# Altium PCB TMS320F28379D_Interfaz_.PcbDoc (part 2 of 5) (continued)
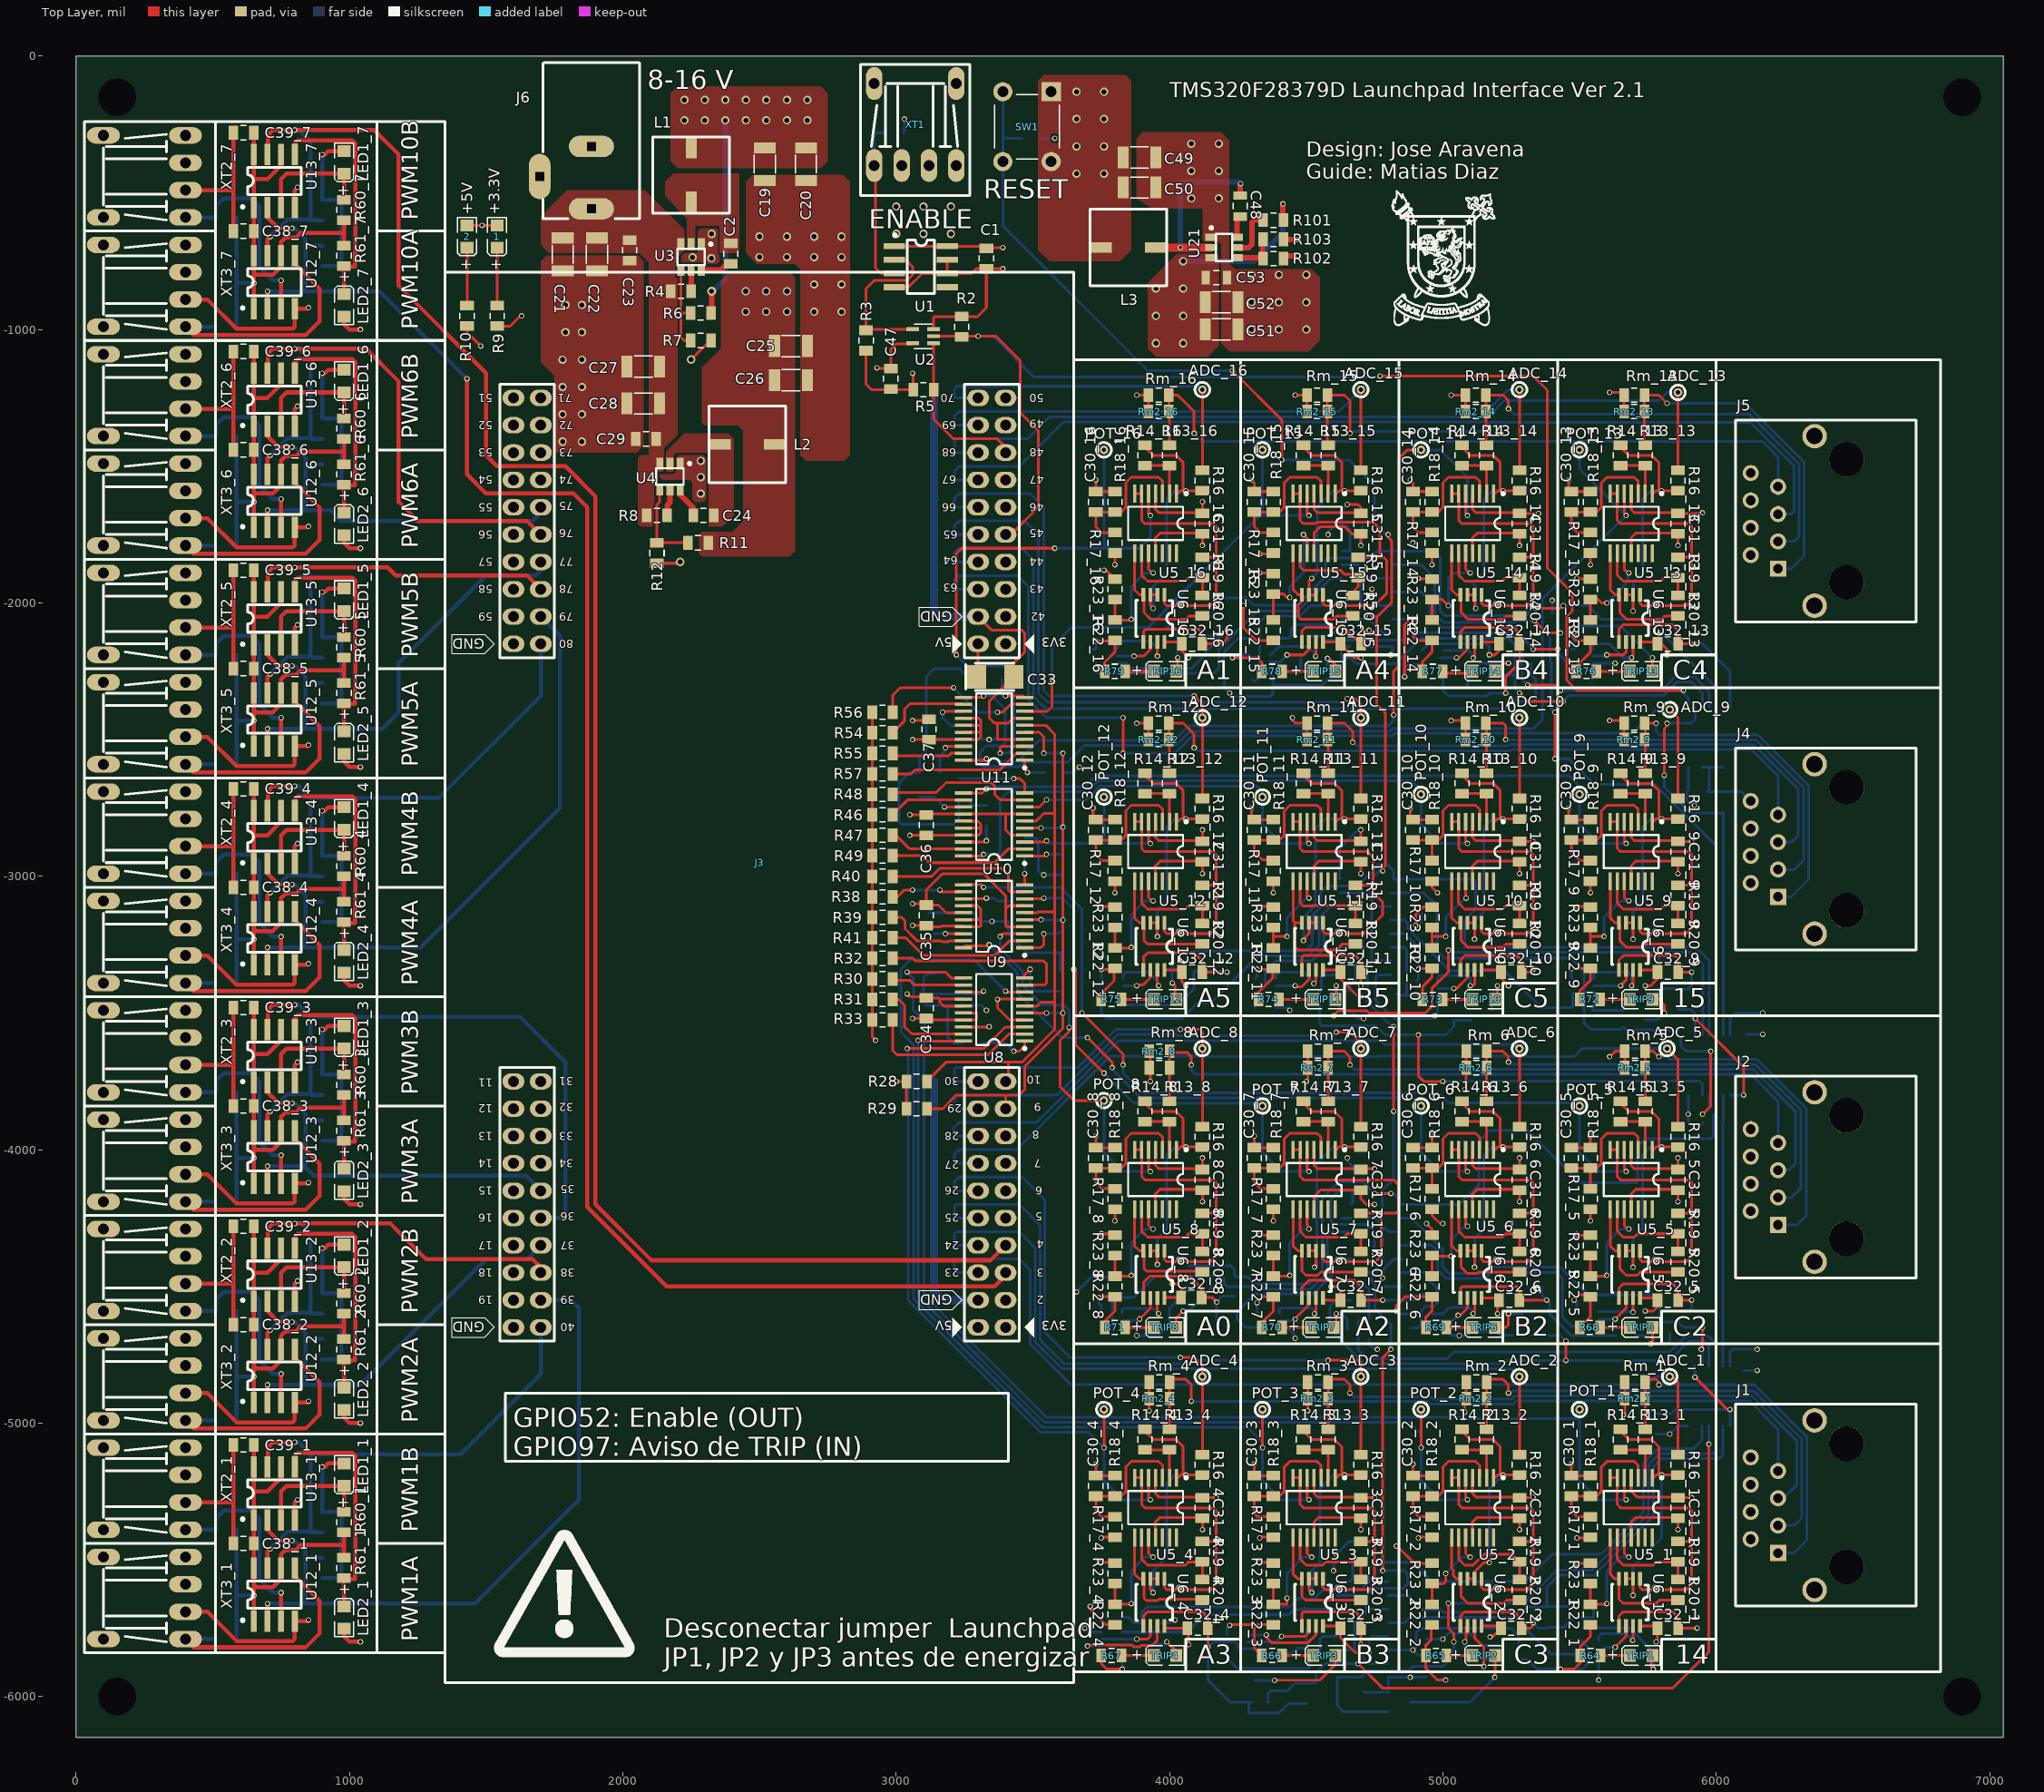
[diagram p0: Top Layer view]
## Part data
1 2 LED1_1 LED1_2 LED1_3 LED1_4 LED1_5 LED1_6 LED1_7 LED2_1 LED2_2 LED2_3 LED2_4 LED2_5 LED2_6 LED2_7 TRIP1 TRIP2 TRIP3 TRIP4 TRIP5 TRIP6 TRIP7 TRIP8 TRIP9 TRIP10 TRIP11 TRIP12 TRIP13 TRIP14 TRIP15 TRIP16: "Led", Digi-Key Part Number=732-4984-1-ND, Manufacturer Part Number=150080RS75000
  1 2 TRIP1 TRIP2 TRIP3 TRIP4 TRIP5 TRIP6 TRIP7 TRIP8 TRIP9 TRIP10 TRIP11 TRIP12 TRIP13 TRIP14 TRIP15 TRIP16: Código de producto RS=815-4225
ADC_1 ADC_2 ADC_3 ADC_4 ADC_5 ADC_6 ADC_7 ADC_8 ADC_9 ADC_10 ADC_11 ADC_12 ADC_13 ADC_14 ADC_15 ADC_16 POT_1 POT_2 POT_3 POT_4 POT_5 POT_6 POT_7 POT_8 POT_9 POT_10 POT_11 POT_12 POT_13 POT_14 POT_15 POT_16: "Surface Mount Test Points", Digi-Key Part Number=A106146CT-ND, Manufacturer Part Number=RCW-0C, Código de producto RS=389-801
B1: "Ferrite bead", Digi-Key Part Number=490-1055-1-ND, Manufacturer Part Number=BLM31PG500SN1L, Código de producto RS=724-1589
J1 J2 J4 J5: "CONN MOD JACK 8P8C VERT SHIELDED", Digi-Key Part Number=A31430-ND, Manufacturer Part Number=5557969-1, Código de producto RS=782-7723
J3: Digi-Key Part Number=609-3221-ND, Manufacturer Part Number=67996-420HLF, Código de producto RS=161-2498
J6: library part "Power Jack", "Connector, Power Entry, Jack, 3a, 20vdc", Digi-Key Part Number=732-5930-ND, Código de producto RS=122-4879, Manufacturer Part Number=694106301002
L1 L3: "Inductor", Digi-Key Part Number=732-1152-1-ND, Manufacturer Part Number=744311330, Código de producto RS=736-1949
L2: "Inductor", Digi-Key Part Number=732-1151-1-ND, Manufacturer Part Number=744311220, Código de producto RS=736-1945
Q1 Q2 Q3 Q4 Q5 Q6 Q7 Q8 Q9 Q10 Q11 Q12 Q13 Q14 Q15 Q16: library part MOSFET_N, "2N7002-FDICT-ND", Manufacturer Part Number=2N7002-7-F, Código de producto RS=708-2396, Digi-Key Part Number=2N7002-FDICT-ND
R1 R2 R3 R4 R5 R6 R7 R8 R9 R10 R11 R12 R13_1 R13_2 R13_3 R13_4 R13_5 R13_6 R13_7 R13_8 R13_9 R13_10 R13_11 R13_12 R13_13 R13_14 R13_15 R13_16 R14_1 R14_2 R14_3 R14_4 R14_5 R14_6 R14_7 R14_8 R14_9 R14_10 R14_11 R14_12 R14_13 R14_14 R14_15 R14_16 R16_1 R16_2 R16_3 R16_4 R16_5 R16_6 R16_7 R16_8 R16_9 R16_10 R16_11 R16_12 R16_13 R16_14 R16_15 R16_16 R17_1 R17_2 R17_3 R17_4 R17_5 R17_6 R17_7 R17_8 R17_9 R17_10 R17_11 R17_12 R17_13 R17_14 R17_15 R17_16 R18_1 R18_2 R18_3 R18_4 R18_5 R18_6 R18_7 R18_8 R18_9 R18_10 R18_11 R18_12 R18_13 R18_14 R18_15 R18_16 R19_1 R19_2 R19_3 R19_4 R19_5 R19_6 R19_7 R19_8 R19_9 R19_10 R19_11 R19_12 R19_13 R19_14 R19_15 R19_16 R20_1 R20_2 R20_3 R20_4 R20_5 R20_6 R20_7 R20_8 R20_9 R20_10 R20_11 R20_12 R20_13 R20_14 R20_15 R20_16 R21_1 R21_2 R21_3 R21_4 R21_5 R21_6 R21_7 R21_8 R21_9 R21_10 R21_11 R21_12 R21_13 R21_14 R21_15 R21_16 R22_1 R22_2 R22_3 R22_4 R22_5 R22_6 R22_7 R22_8 R22_9 R22_10 R22_11 R22_12 R22_13 R22_14 R22_15 R22_16 R23_1 R23_2 R23_3 R23_4 R23_5 R23_6 R23_7 R23_8 R23_9 R23_10 R23_11 R23_12 R23_13 R23_14 R23_15 R23_16 R24 R25 R26 R27 R28 R29 R30 R31 R32 R33 R34 R35 R36 R37 R38 R39 R40 R41 R42 R43 R44 R45 R46 R47 R48 R49 R50 R51 R52 R53 R54 R55 R56 R57 R58_1 R58_2 R58_3 R58_4 R58_5 R58_6 R58_7 R59_1 R59_2 R59_3 R59_4 R59_5 R59_6 R59_7 R60_1 R60_2 R60_3 R60_4 R60_5 R60_6 R60_7 R61_1 R61_2 R61_3 R61_4 R61_5 R61_6 R61_7 R62_1 R62_2 R62_3 R62_4 R62_5 R62_6 R62_7 R63_1 R63_2 R63_3 R63_4 R63_5 R63_6 R63_7 R64 R65 R66 R67 R68 R69 R70 R71 R72 R73 R74 R75 R76 R77 R78 R79 R80 R81 R82 R83 R84 R85 R86 R87 R88 R89 R90 R91 R92 R93 R94 R95 R96 R97 R98 R99 R100 R101 R102 R103: library part Resistor, "Resistor"
  R58_1 R58_2 R58_3 R58_4 R58_5 R58_6 R58_7 R59_1 R59_2 R59_3 R59_4 R59_5 R59_6 R59_7: Código de producto RS=713-6875
Rm2_1 Rm2_2 Rm2_3 Rm2_4 Rm2_5 Rm2_6 Rm2_7 Rm2_8 Rm2_9 Rm2_10 Rm2_11 Rm2_12 Rm2_13 Rm2_14 Rm2_15 Rm2_16 Rm_1 Rm_2 Rm_3 Rm_4 Rm_5 Rm_6 Rm_7 Rm_8 Rm_9 Rm_10 Rm_11 Rm_12 Rm_13 Rm_14 Rm_15 Rm_16: library part Resistor, "Resistor", Digi-Key Part Number=RCL220ACT-ND, Manufacturer Part Number=RCL1218220RFKEK
SW1: Digi-Key Part Number=CKN10899-ND, Manufacturer Part Number="PTS645SM43-2 LFS", Código de producto RS=135-9534
U1 U12_1 U12_2 U12_3 U12_4 U12_5 U12_6 U12_7 U13_1 U13_2 U13_3 U13_4 U13_5 U13_6 U13_7: "Dual Very-High Speed, High-Current Peripheral Drivers 8-SOIC 0 to 70", Digi-Key Part Number=296-14960-6-ND, Código de producto RS=662-4015, Manufacturer Part Number=SN75451BDR
U2: "NOR Gate IC 1 Channel SC-88A (SC-70-5/SOT-353)", Digi-Key Part Number=MC74VHC1G02DFT2GOSCT-ND, Manufacturer Part Number=MC74VHC1G02DFT2G, Código de producto RS=806-3945
U3 U4 U21: "Buck 5A", Digi-Key Part Number=296-49006-1-ND, Manufacturer Part Number=TPS565201DDCR
U5_1 U5_2 U5_3 U5_4 U5_5 U5_6 U5_7 U5_8 U5_9 U5_10 U5_11 U5_12 U5_13 U5_14 U5_15 U5_16: Digi-Key Part Number=OPA4344EACT-ND, Manufacturer Part Number=OPA4344EA/250, Código de producto RS=660-9868
U6_1 U6_2 U6_3 U6_4 U6_5 U6_6 U6_7 U6_8 U6_9 U6_10 U6_11 U6_12 U6_13 U6_14 U6_15 U6_16: Digi-Key Part Number=MAX962EUA+-ND, Manufacturer Part Number=MAX962EUA+, Código de producto RS=622-9241
U7_1 U7_2 U7_3 U7_4 U7_5 U7_6 U7_7 U7_8 U7_9 U7_10 U7_11 U7_12 U7_13 U7_14 U7_15 U7_16: "IC GATE NAND 1CH 2-INP", Digi-Key Part Number=296-9845-1-ND, Código de producto RS=796-8219, Manufacturer Part Number=SN74LVC1G00DBVR
U8 U9 U10 U11: Digi-Key Part Number=X95840WV20IZ-2.7-ND, Manufacturer Part Number=X95840WV20IZ-2.7, Código de producto RS=100-0181
U14 U16 U19: "2 OR GATE 4 INPUT", Digi-Key Part Number=296-32907-5-ND, Manufacturer Part Number=CD4072BPW, Código de producto RS=809-5517
U15 U17 U18 U20: library part HEF4043, "IC R/S LATCH 3-STATE QUAD 16SOIC", Digi-Key Part Number=1727-1799-1-ND, Manufacturer Part Number=HEF4043BT,653, Código de producto RS=168-9605
XT1 XT2_1 XT2_2 XT2_3 XT2_4 XT2_5 XT2_6 XT2_7 XT3_1 XT3_2 XT3_3 XT3_4 XT3_5 XT3_6 XT3_7: Digi-Key Part Number=516-2043-ND, Código de producto RS=171-1600, Manufacturer Part Number=HFBR-1521Z

## Free pads (board coordinates)
  round 0 hole 137.8 unplated: ""(150,-6000) ""(150,-150) ""(6900,-6000) ""(6900,-150)

## Via types
v1: diameter 20, hole 12, Top Layer to Bottom Layer, 538 vias
v2: diameter 30, hole 18, Top Layer to Bottom Layer, 80 vias
v3: diameter 30, hole 20, Top Layer to Bottom Layer, 6 vias
v4: diameter 32, hole 18, Top Layer to Bottom Layer, 3 vias

## Nets (pads, with @x,y where several pads share a name; then routed paths per layer and width w, separated by ;. In a path a pad name is that pad's centre, name@x,y a point inside that pad or via, vN(x,y) a via of type N, cw(c..) or ccw(c..) an arc to the next point about the centre after c; other vN are vias at no path point)
+3.3V_D: C25.2 C26.2 J3.1 J3.41 L2.2 R9.2 R11.2 R24.1 R25.1 R26.1 R27.1 R34.1 R35.1 R36.1 R37.1 R42.1 R43.1 R44.1 R45.1 R50.1 R51.1 R52.1 R53.1 | length 3160.5
  Top Layer w10: R9.2@1540,-987.4 1587.4,-987.4 v1@1624.8,-950
  Bottom Layer w10: R36.1@3120,-3132.6 3282.6,-3132.6 3314.8,-3164.8 v1(3350,-3164.8) R34.1@3410,-3164.8 3410,-3210 3480,-3280 3597.4,-3280 R35.1@3600,-3277.4 R27.1@3600,-3345.2 ; R24.1@3140,-3355.2 3114.8,-3355.2 3100,-3370 3100,-3460 3112.6,-3472.6 3187.4,-3472.6 ; R25.1@3245.2,-3610 3210,-3610 3187.4,-3587.4 3187.4,-3472.6 ; R53.1@3312.6,-2280 3270,-2280 3230,-2240 3140,-2240 3110,-2270 3110,-2500 ; v1(3330,-3490) 3312.6,-3472.6 R26.1@3250,-3472.6 3187.4,-3472.6 ; R44.1@3330,-2740 3280,-2740 3260,-2720 3232.6,-2720 R45.1@3230,-2717.4 3230,-2790 3210,-2810 3020,-2810 3010,-2800 R42.1@3010,-2710 3010,-2660 3050,-2620 R52.1@3085.2,-2620 3085.2,-2564.8 3110,-2540 3110,-2500 ; R50.1@3370,-2450 3370,-2490 3360,-2500 v1(3340,-2500) 3110,-2500 ; R37.1@3470,-2860 3510,-2860 3520,-2870 3520,-2980 3534.8,-2994.8 v1(3540,-2994.8) R43.1@3610,-2994.8 ; R51.1@3617.4,-2620 3650,-2620 v1(3670,-2600)
  other v1: 1630,-950
  other v3: 2450,-935 2525,-935 2600,-935 2450,-860 2525,-860 2600,-860
+5V_A: C1.2 C31_1.2 C31_2.2 C31_3.2 C31_4.2 C31_5.2 C31_6.2 C31_7.2 C31_8.2 C31_9.2 C31_10.2 C31_11.2 C31_12.2 C31_13.2 C31_14.2 C31_15.2 C31_16.2 C32_1.1 C32_2.1 C32_3.1 C32_4.1 C32_5.1 C32_6.1 C32_7.1 C32_8.1 C32_9.1 C32_10.1 C32_11.1 C32_12.1 C32_13.1 C32_14.1 C32_15.1 C32_16.1 C33.1 C34.1 C35.1 C36.1 C37.1 C40.1 C41.1 C42.1 C43.1 C44.1 C45.1 C46.1 C47.2 C49.2 C50.2 J3.21 J3.61 L3.2 R1.2 R17_1.2 R17_2.2 R17_3.2 R17_4.2 R17_5.2 R17_6.2 R17_7.2 R17_8.2 R17_9.2 R17_10.2 R17_11.2 R17_12.2 R17_13.2 R17_14.2 R17_15.2 R17_16.2 R22_1.1 R22_2.1 R22_3.1 R22_4.1 R22_5.1 R22_6.1 R22_7.1 R22_8.1 R22_9.1 R22_10.1 R22_11.1 R22_12.1 R22_13.1 R22_14.1 R22_15.1 R22_16.1 R28.1 R29.1 R64.2 R65.2 R66.2 R67.2 R68.2 R69.2 R70.2 R71.2 R72.2 R73.2 R74.2 R75.2 R76.2 R77.2 R78.2 R79.2 R102.2 SW1.1 SW1.2 U1.1 U1.8 U2.5 U5_1.4 U5_2.4 U5_3.4 U5_4.4 U5_5.4 U5_6.4 U5_7.4 U5_8.4 U5_9.4 U5_10.4 U5_11.4 U5_12.4 U5_13.4 U5_14.4 U5_15.4 U5_16.4 U6_1.8 U6_2.8 U6_3.8 U6_4.8 U6_5.8 U6_6.8 U6_7.8 U6_8.8 U6_9.8 U6_10.8 U6_11.8 U6_12.8 U6_13.8 U6_14.8 U6_15.8 U6_16.8 U7_1.5 U7_2.5 U7_3.5 U7_4.5 U7_5.5 U7_6.5 U7_7.5 U7_8.5 U7_9.5 U7_10.5 U7_11.5 U7_12.5 U7_13.5 U7_14.5 U7_15.5 U7_16.5 U8.16 U8.17 U9.14 U9.16 U9.17 U10.15 U10.16 U10.17 U11.14 U11.15 U11.16 U11.17 U14.14 U15.5 U15.16 U16.14 U17.5 U17.16 U18.5 U18.16 U19.14 U20.5 U20.16 | length 17712
  Top Layer w10: v1(2930,-1140) 2932.6,-1142.6 C47.2@2980,-1142.6 2980,-1072.6 3000,-1052.6 3057.4,-1052.6 U2.5@3060,-1050 ; U1.1@2993,-695 U1.8@3187,-695 3322.4,-695 C1.2@3330,-702.6 3332.6,-700 v1(3390,-700) ; v1(3000,-3750) R28.1@3037.6,-3750 ; R29.1@3037.6,-3850 R28.1@3037.6,-3750 ; R28.1@3037.6,-3732.4 R28.1@3037.6,-3750 ; v1(3050,-2850) C36.1@3110,-2850 3244.41,-2850 U10.17@3245.59,-2848.82 3246.77,-2850 3300,-2850 3310,-2840 3310,-2825 ; v1(3060,-3520) C34.1@3110,-3520 3115.59,-3525.59 U8.17@3245.59,-3525.59 3294.41,-3525.59 3294.41,-3500 U8.16@3245.59,-3500 ; v1(3060,-3180) C35.1@3110,-3180 3114.41,-3184.41 3164.58,-3184.41 3167.99,-3181 3242.18,-3181 U9.17@3245.59,-3184.41 3305.59,-3184.41 3310,-3180 3310,-3160 ; v1(3060,-2500) C37.1@3120,-2500 3121.18,-2498.82 U11.17@3245.59,-2498.82 3301.18,-2498.82 3310,-2490 3310,-2470 ; U9.16@3245.59,-3158.82 3308.82,-3158.82 3310,-3160 ; U9.14@3245.59,-3107.64 3297.64,-3107.64 3310,-3120 3310,-3160 ; U10.16@3245.59,-2823.23 3308.23,-2823.23 3310,-2825 ; U10.15@3245.59,-2797.64 3297.64,-2797.64 3310,-2810 3310,-2825 ; U11.16@3245.59,-2473.23 3306.77,-2473.23 3310,-2470 ; U11.15@3245.59,-2447.64 3307.64,-2447.64 3310,-2450 ; U11.14@3245.59,-2422.05 3302.05,-2422.05 3310,-2430 3310,-2450 ; C33.1@3275,-2250 C33.1@3295,-2270 3300,-2265 J3.61@3300,-2150 ; v1(3710,-5670) 3710,-5680 3767.4,-5737.4 R22_4.1@3800,-5737.4 ; v1(3730,-2140) 3797.4,-2140 R22_16.1@3800,-2137.4 3800,-2180 3762.6,-2217.4 R79.2@3762.6,-2250 ; v1(3740,-4540) 3737.4,-4537.4 R22_8.1@3800,-4537.4 3800,-4590 3762.6,-4627.4 R71.2@3762.6,-4650 ; R67.2@3750,-5850 3750,-5880 3770,-5900 v1(3827,-5900) ; v1(3750,-5420) 3750,-5425.2 3757.8,-5417.4 R17_4.2@3800,-5417.4 ; v1(3750,-3340) 3797.4,-3340 3797.4,-3382.6 3750.2,-3429.8 R75.2@3750.2,-3450 ; v1(3800,-4260) R17_8.2@3800,-4217.4 ; v1(3800,-3060) R17_12.2@3800,-3017.4 ; v1(3800,-1860) R17_16.2@3800,-1817.4 ; U5_4.4@3948.82,-5200 3948.82,-5257.81 3959,-5267.99 3959,-5269 3960,-5270 C31_4.2@4120,-5270 ; U5_8.4@3948.82,-4000 3948.82,-4057.81 3959,-4067.99 3959,-4069 3960,-4070 C31_8.2@4120,-4070 ; U5_12.4@3948.82,-2800 3948.82,-2857.81 3959,-2867.99 3959,-2869 3960,-2870 C31_12.2@4120,-2870 ; U5_16.4@3948.82,-1600 3948.82,-1657.81 3959,-1667.99 3959,-1669 3960,-1670 C31_16.2@4120,-1670 ; U6_4.8@3981.18,-5742 3989.18,-5750 C32_4.1@4065.2,-5750 4070,-5754.8 v1(4070,-5810) ; U6_8.8@3981.18,-4542 3983.18,-4540 C32_8.1@4042.6,-4540 4042.6,-4502.6 4030,-4490 v1(4010,-4490) ; U6_12.8@3981.18,-3342 4037.2,-3342 C32_12.1@4045.2,-3350 4045.2,-3385.2 v1(4060,-3400) ; U6_16.8@3983.59,-2144.41 U6_16.8@3981.18,-2142 4037.2,-2142 C32_16.1@4045.2,-2150 4045.2,-2175.2 v1(4070,-2200) ; C31_4.2@4120,-5272.6 v1(4170,-5272.6) ; C31_8.2@4120,-4072.6 C31_8.2@4120,-4070 ; v1(4120,-4030) C31_8.2@4120,-4070 ; C31_12.2@4120,-2872.6 C31_12.2@4120,-2870 ; v1(4120,-2830) C31_12.2@4120,-2870 ; C31_16.2@4120,-1672.6 C31_16.2@4120,-1670 ; v1(4120,-1630) C31_16.2@4120,-1670 ; v1(4220,-5740) 4222.6,-5737.4 R22_3.1@4380,-5737.4 ; v1(4230,-2200) 4320,-2200 4337.6,-2217.6 R78.2@4337.6,-2250 ; v1(4270,-2010) 4270,-2090 4317.4,-2137.4 R22_15.1@4380,-2137.4 ; 4310,-5740 4310,-5822.4 R66.2@4337.6,-5850 ; v1(4320,-4560) 4342.6,-4537.4 R22_7.1@4380,-4537.4 4380,-4590 4337.6,-4632.4 R70.2@4337.6,-4650 ; v1(4320,-3340) 4377.4,-3340 4377.4,-3372.6 4325.2,-3424.8 R74.2@4325.2,-3450 ; v1(4330,-5420) 4332.6,-5417.4 R17_3.2@4380,-5417.4 ; v1(4330,-1820) R17_15.2@4377.4,-1820 ; R17_15.2@4374.8,-1822.6 R17_15.2@4377.4,-1820 ; v1(4380,-4260) R17_7.2@4380,-4217.4 ; v1(4380,-3060) R17_11.2@4380,-3017.4 ; R17_15.2@4380,-1817.4 R17_15.2@4377.4,-1820 ; U5_3.4@4528.82,-5200 4528.82,-5257.81 4539,-5267.99 4539,-5269 4540,-5270 C31_3.2@4700,-5270 ; U5_7.4@4528.82,-4000 4528.82,-4057.81 4539,-4067.99 4539,-4069 4540,-4070 C31_7.2@4700,-4070 ; U5_11.4@4528.82,-2800 4528.82,-2857.81 4539,-2867.99 4539,-2869 4540,-2870 C31_11.2@4700,-2870 ; U5_15.4@4528.82,-1600 4528.82,-1657.81 4539,-1667.99 4539,-1669 4540,-1670 C31_15.2@4700,-1670 ; U6_3.8@4561.18,-5742 4617.2,-5742 C32_3.1@4625.2,-5750 4625.2,-5785.2 4680,-5840 v1(4730,-5840) ; U6_7.8@4561.18,-4542 4569.18,-4550 C32_7.1@4625.2,-4550 4625.2,-4515.2 4610.76,-4500.76 v1(4590.76,-4500.76) ; U6_11.8@4561.18,-3342 4617.2,-3342 C32_11.1@4625.2,-3350 4625.2,-3375.2 4690,-3440 v1(4700,-3440) ; U6_15.8@4561.18,-2142 4617.2,-2142 C32_15.1@4625.2,-2150 4675.2,-2200 v1(4700,-2200) ; v1(4650,-1640) 4690,-1640 4700,-1650 C31_15.2@4700,-1670 ; C31_3.2@4700,-5272.6 v1(4750,-5272.6) ; C31_7.2@4700,-4072.6 4710,-4062.6 4717.4,-4070 v1(4750,-4070) ; C31_11.2@4700,-2872.6 C31_11.2@4700,-2870 ; v1(4700,-2830) C31_11.2@4700,-2870 ; C31_15.2@4700,-1672.6 C31_15.2@4700,-1670 ; v1(4830,-4590) 4830,-4570 4862.6,-4537.4 R22_6.1@4960,-4537.4 4960,-4590 4937.6,-4612.4 R69.2@4937.6,-4650 ; v1(4890,-2100) 4890,-2120 4907.4,-2137.4 R22_14.1@4960,-2137.4 4960,-2180 4925.2,-2214.8 R77.2@4925.2,-2250 ; v1(4910,-5420) 4912.6,-5417.4 R17_2.2@4960,-5417.4 ; v1(4910,-3340) 4912.6,-3337.4 R22_10.1@4960,-3337.4 4960,-3370 4925,-3405 R73.2@4925,-3450 ; R22_2.1@4957.4,-5740 4957.4,-5792.6 4937.6,-5812.4 R65.2@4937.6,-5850 4937.6,-5897.6 4980,-5940 v1(5010,-5940) ; R17_6.2@4960,-4217.4 4960,-4240 4990,-4270 v1(5000,-4270) ; R17_10.2@4960,-3017.4 4960,-3040 v1(4980,-3060) ; v1(4960,-1860) R17_14.2@4960,-1817.4 ; U5_2.4@5108.82,-5200 5108.82,-5257.81 5119,-5267.99 5119,-5269 5120,-5270 C31_2.2@5280,-5270 ; U5_6.4@5108.82,-4000 5108.82,-4057.81 5119,-4067.99 5119,-4069 5120,-4070 C31_6.2@5280,-4070 ; U5_10.4@5108.82,-2800 5108.82,-2857.81 5119,-2867.99 5119,-2869 5120,-2870 C31_10.2@5280,-2870 ; U5_14.4@5108.82,-1600 5108.82,-1657.81 5119,-1667.99 5119,-1669 5120,-1670 C31_14.2@5280,-1670 ; U6_2.8@5141.18,-5742 5204.6,-5742 C32_2.1@5212.6,-5750 5180,-5782.6 v1(5172.6,-5782.6) ; U6_6.8@5141.18,-4542 5197.2,-4542 C32_6.1@5205.2,-4550 5200,-4555.2 v1(5200,-4600) ; U6_10.8@5141.18,-3342 5204.6,-3342 C32_10.1@5212.6,-3350 5212.6,-3372.6 v1(5240,-3400) ; U6_14.8@5141.18,-2142 5197.2,-2142 C32_14.1@5205.2,-2150 5217.6,-2162.4 5190,-2190 v1(5170,-2190) ; C31_2.2@5280,-5272.6 5327.4,-5272.6 v1(5330,-5270) ; C31_6.2@5280,-4072.6 5292.6,-4072.6 5280,-4060 v1(5280,-4030) ; C31_10.2@5280,-2872.6 v1(5330,-2872.6) ; C31_14.2@5280,-1672.6 v1(5350,-1672.6) ; v1(5430,-5900) 5480,-5900 5502.6,-5877.4 R64.2@5502.6,-5850 5502.6,-5817.4 5540,-5780 R22_1.1@5540,-5737.4 ; v1(5470,-3337.4) R22_9.1@5540,-3337.4 5540,-3380 5500.2,-3419.8 R72.2@5500.2,-3450 ; v1(5480,-4550) 5500,-4530 5532.6,-4530 R22_5.1@5540,-4537.4 5540,-4610 R68.2@5500,-4650 ; v1(5480,-2120) 5480,-2130 5487.4,-2137.4 R22_13.1@5540,-2137.4 5540,-2180 5487.6,-2232.4 R76.2@5487.6,-2250 ; v1(5490,-5420) 5537.4,-5420 R17_1.2@5540,-5417.4 ; v1(5540,-4260) R17_5.2@5540,-4217.4 ; v1(5540,-3060) R17_9.2@5540,-3017.4 ; v1(5540,-1860) R17_13.2@5540,-1817.4 ; U5_1.4@5688.82,-5200 5688.82,-5248.82 5710,-5270 C31_1.2@5860,-5270 ; U5_5.4@5688.82,-4000 5688.82,-4057.81 5699,-4067.99 5699,-4069 5700,-4070 C31_5.2@5860,-4070 ; U5_9.4@5688.82,-2800 5688.82,-2857.81 5699,-2867.99 5699,-2869 5700,-2870 C31_9.2@5860,-2870 ; U5_13.4@5688.82,-1600 5688.82,-1657.81 5699,-1667.99 5699,-1669 5700,-1670 C31_13.2@5860,-1670 ; U6_1.8@5721.18,-5742 5777.2,-5742 C32_1.1@5785.2,-5750 5785.2,-5795.2 5780.39,-5800 v1(5780,-5800) ; U6_5.8@5721.18,-4542 5777.2,-4542 C32_5.1@5785.2,-4550 5785.2,-4574.8 5770,-4590 v1(5740,-4590) ; U6_9.8@5721.18,-3342 5777.2,-3342 C32_9.1@5785.2,-3350 5785.2,-3374.8 5760,-3400 v1(5740,-3400) ; U6_13.8@5721.18,-2142 5777.2,-2142 C32_13.1@5785.2,-2150 5800,-2150 5820,-2170 v1(5820,-2190) ; C31_1.2@5860,-5272.6 v1(5910,-5272.6) ; C31_5.2@5860,-4072.6 C31_5.2@5860,-4070 ; v1(5860,-4030) C31_5.2@5860,-4070 ; C31_9.2@5860,-2872.6 v1(5910,-2872.6) ; C31_13.2@5860,-1672.6 5952.6,-1672.6 v1(5950,-1670) ; 3310,-2470 3310,-2450
  Top Layer w20: R102.2@4414.8,-730 v1(4470,-730)
  Bottom Layer w10: R1.2@3027.4,-280 3030,-277.4 v1(3030,-230) ; U7_16.5@3720,-2170 3731.18,-2170 U7_16.5@3730,-2168.82 v1(3730,-2140) ; v1(3740,-4540) 3740,-4560 3750,-4570 U7_8.5@3750,-4598.82 ; v1(3750,-3340) 3750,-3371.41 U7_12.5@3753,-3374.41 ; v1(3827,-5900) U7_4.5@3827,-5815.59 ; U7_3.5@4210,-5774.41 4210,-5750 v1(4220,-5740) ; v1(4230,-2200) 4240,-2190 U7_15.5@4290,-2190 ; U7_11.5@4313,-3374.41 4320,-3367.41 v1(4320,-3340) ; v1(4320,-4560) 4320,-4593.82 U7_7.5@4325,-4598.82 ; v1(4580,-1750) 4580,-1740 4600,-1720 C46.1@4630,-1720 ; v1(4600,-5540) 4600,-5520 4612,-5508 4669.4,-5508 C40.1@4670,-5507.4 4670,-5570 4660,-5580 U15.16@4614,-5580 ; U18.16@4624,-3010 4622.6,-3008.6 C44.1@4622.6,-2930 4622.6,-2897.4 4690,-2830 v1(4700,-2830) ; U20.16@4630,-1810 4660,-1810 4660,-1730 4650,-1720 C46.1@4630,-1720 ; v1(4650,-1640) 4630,-1660 C46.1@4630,-1720 ; U17.16@4664,-4200 4670,-4194 C42.1@4670,-4150 4620,-4150 4590,-4180 4590,-4260 4604,-4274 4724,-4274 4750,-4300 v1(4750,-4380) ; v1(4730,-5840) 4730,-5790 4740,-5780 U15.5@4800,-5780 ; v1(4740,-1950) 4740,-1980 4770,-2010 U20.5@4816,-2010 ; v1(4780,-4470) 4780,-4440 4820,-4400 U17.5@4850,-4400 ; U18.5@4810,-3210 4860,-3210 4910,-3260 v1(4910,-3340) 4910,-3377.41 U7_10.5@4903,-3384.41 ; v1(4830,-4590) 4840,-4600 U7_6.5@4883,-4600 ; U7_14.5@4923,-2174.41 4947.41,-2150 5160,-2150 5170,-2160 v1(5170,-2190) ; U7_2.5@5277,-5865.59 5309.59,-5865.59 5344,-5900 v1(5430,-5900) 5510,-5900 5530,-5880 5530,-5820 5504.41,-5794.41 U7_1.5@5493,-5794.41 ; v1(5470,-3337.4) 5470,-3370 U7_9.5@5475,-3375 ; U7_13.5@5470,-2168.82 U7_13.5@5480,-2168.82 ; v1(5480,-4550) 5490,-4560 5490,-4591.41 U7_5.5@5493,-4594.41 ; v1(5480,-2120) U7_13.5@5480,-2168.82 ; U19.14@5897.64,-2600 5897.64,-2684.96 C45.1@5892.6,-2690 5892.6,-2722.6 5910,-2740 v1(5920,-2740) ; U14.14@6050,-4791.5 6050,-4740 6060,-4730 v1(6150,-4730) ; U16.14@6051.18,-3581.5 6051.18,-3518.82 6070,-3500 v1(6170,-3500) ; U7_13.5@5480,-2168.82 5481.18,-2168.82 5480,-2170 U7_13.5@5480,-2168.82
  other v1: 4890,-1780
  other v2: 3660,-430 3760,-430 3660,-330 3760,-330 3660,-230 3760,-230 3660,-130 3760,-130
+5V_D: C19.2 C20.2 C38_1.1 C38_2.1 C38_3.1 C38_4.1 C38_5.1 C38_6.1 C38_7.1 C39_1.1 C39_2.1 C39_3.1 C39_4.1 C39_5.1 C39_6.1 C39_7.1 L1.2 R6.2 R10.2 R58_1.2 R58_2.2 R58_3.2 R58_4.2 R58_5.2 R58_6.2 R58_7.2 R59_1.2 R59_2.2 R59_3.2 R59_4.2 R59_5.2 R59_6.2 R59_7.2 R60_1.2 R60_2.2 R60_3.2 R60_4.2 R60_5.2 R60_6.2 R60_7.2 R61_1.2 R61_2.2 R61_3.2 R61_4.2 R61_5.2 R61_6.2 R61_7.2 U12_1.1 U12_1.6 U12_1.8 U12_2.1 U12_2.6 U12_2.8 U12_3.1 U12_3.6 U12_3.8 U12_4.1 U12_4.6 U12_4.8 U12_5.1 U12_5.6 U12_5.8 U12_6.1 U12_6.6 U12_6.8 U12_7.1 U12_7.6 U12_7.8 U13_1.1 U13_1.6 U13_1.8 U13_2.1 U13_2.6 U13_2.8 U13_3.1 U13_3.6 U13_3.8 U13_4.1 U13_4.6 U13_4.8 U13_5.1 U13_5.6 U13_5.8 U13_6.1 U13_6.6 U13_6.8 U13_7.1 U13_7.6 U13_7.8 | length 13652.5
  Top Layer w10: R10.2@1430,-987.4 1430,-1010 v1(1480,-1060)
  Top Layer w15: U12_1.1@650,-5740 U12_1.1@650,-5724 v1(650,-5630) 650,-5590 ; C39_1.1@650,-5080 U13_1.8@650,-5160 650,-5250 ; U12_2.1@650,-4940 U12_2.1@650,-4924 v1(650,-4830) 650,-4790 ; C39_2.1@650,-4280 U13_2.8@650,-4360 650,-4450 ; U12_3.1@650,-4140 U12_3.1@650,-4124 v1(650,-4030) 650,-3990 ; C39_3.1@650,-3480 U13_3.8@650,-3560 650,-3650 ; U12_4.1@650,-3340 U12_4.1@650,-3324 v1(650,-3230) 650,-3190 ; C39_4.1@650,-2680 U13_4.8@650,-2760 650,-2850 ; U12_5.1@650,-2540 U12_5.1@650,-2524 v1(650,-2430) 650,-2390 ; C39_5.1@650,-1880 U13_5.8@650,-1960 650,-2050 ; U12_6.1@650,-1740 U12_6.1@650,-1724 v1(650,-1630) 650,-1590 ; C39_6.1@650,-1080 U13_6.8@650,-1160 650,-1250 ; U12_7.1@650,-940 U12_7.1@650,-924 v1(650,-830) 650,-790 ; C39_7.1@650,-280 U13_7.8@650,-360 650,-450 ; U13_1.6@750,-5160 750,-5200 700,-5250 650,-5250 ; U13_2.6@750,-4360 750,-4400 700,-4450 650,-4450 ; U13_3.6@750,-3560 750,-3600 700,-3650 650,-3650 ; U13_4.6@750,-2760 750,-2800 700,-2850 650,-2850 ; U13_5.6@750,-1960 750,-2000 700,-2050 650,-2050 ; U13_6.6@750,-1160 750,-1200 700,-1250 650,-1250 ; U13_7.6@750,-360 750,-400 700,-450 650,-450 ; R61_1.2@980,-5495.2 R61_1.2@980,-5492.6 980,-5446.3 ; R60_1.2@980,-5400 980,-5446.3 ; R61_2.2@980,-4695.2 R61_2.2@980,-4692.6 980,-4646.3 ; R60_2.2@980,-4600 980,-4646.3 ; R61_3.2@980,-3895.2 R61_3.2@980,-3892.6 980,-3846.3 ; R60_3.2@980,-3800 980,-3846.3 ; R61_4.2@980,-3095.2 R61_4.2@980,-3092.6 980,-3046.3 ; R60_4.2@980,-3000 980,-3046.3 ; R61_5.2@980,-2295.2 R61_5.2@980,-2292.6 980,-2246.3 ; R60_5.2@980,-2200 980,-2246.3 ; R61_6.2@980,-1495.2 R61_6.2@980,-1492.6 980,-1446.3 ; R60_6.2@980,-1400 980,-1446.3 ; R61_7.2@980,-695.2 R61_7.2@980,-692.6 980,-646.3 ; R60_7.2@980,-600 980,-646.3 ; 650,-5590 660,-5600 720,-5600 750,-5570 U12_1.6@750,-5530 750,-5480 766.5,-5463.5 803.88,-5463.5 821.08,-5446.3 980,-5446.3 ; 650,-5590 U12_1.8@650,-5530 C38_1.1@650,-5440 U13_1.1@650,-5354 650,-5250 ; 650,-4790 U12_2.8@650,-4730 C38_2.1@650,-4640 U13_2.1@650,-4554 650,-4450 ; 650,-4790 660,-4800 720,-4800 750,-4770 U12_2.6@750,-4730 750,-4680 766.5,-4663.5 803.88,-4663.5 821.08,-4646.3 980,-4646.3 ; 650,-3990 U12_3.8@650,-3930 C38_3.1@650,-3840 U13_3.1@650,-3754 650,-3650 ; 650,-3990 660,-4000 720,-4000 750,-3970 U12_3.6@750,-3930 750,-3880 766.5,-3863.5 803.88,-3863.5 821.08,-3846.3 980,-3846.3 ; 650,-3190 U12_4.8@650,-3130 C38_4.1@650,-3040 U13_4.1@650,-2954 650,-2850 ; 650,-3190 660,-3200 720,-3200 750,-3170 U12_4.6@750,-3130 750,-3080 766.5,-3063.5 803.88,-3063.5 821.08,-3046.3 980,-3046.3 ; 650,-2390 U12_5.8@650,-2330 C38_5.1@650,-2240 U13_5.1@650,-2154 650,-2050 ; 650,-2390 660,-2400 720,-2400 750,-2370 U12_5.6@750,-2330 750,-2280 766.5,-2263.5 803.88,-2263.5 821.08,-2246.3 980,-2246.3 ; 650,-1590 660,-1600 720,-1600 750,-1570 U12_6.6@750,-1530 750,-1480 766.5,-1463.5 803.88,-1463.5 821.08,-1446.3 980,-1446.3 ; 650,-1590 U12_6.8@650,-1530 C38_6.1@650,-1440 U13_6.1@650,-1354 650,-1250 ; 650,-790 U12_7.8@650,-730 C38_7.1@650,-640 U13_7.1@650,-554 650,-450 ; 650,-790 660,-800 720,-800 750,-770 U12_7.6@750,-730 750,-680 766.5,-663.5 803.88,-663.5 821.08,-646.3 980,-646.3
  Top Layer w20: R6.2@2322.4,-940 2325,-942.6 v4(2325,-860)
  Bottom Layer w15: R59_1.2@587.4,-5793 587.4,-5630 ; R58_1.2@587.4,-5390 587.4,-5630 ; R59_2.2@587.4,-4993 587.4,-4830 ; R58_2.2@587.4,-4590 587.4,-4830 ; R59_3.2@587.4,-4193 587.4,-4030 ; R58_3.2@587.4,-3790 587.4,-4030 ; R59_4.2@587.4,-3393 587.4,-3230 ; R58_4.2@587.4,-2990 587.4,-3230 ; R59_5.2@587.4,-2593 587.4,-2430 ; R58_5.2@587.4,-2190 587.4,-2430 ; R59_6.2@587.4,-1793 587.4,-1630 ; R58_6.2@587.4,-1390 587.4,-1630 ; R59_7.2@587.4,-993 587.4,-830 ; R58_7.2@587.4,-590 587.4,-830 ; v1(650,-5630) 587.4,-5630 ; v1(650,-4830) 587.4,-4830 ; v1(650,-4030) 587.4,-4030 ; v1(650,-3230) 587.4,-3230 ; v1(650,-2430) 587.4,-2430 ; v1(650,-1630) 587.4,-1630 ; v1(650,-830) 587.4,-830
  Bottom Layer w20: v4(2325,-860) 2330,-860 2375,-815 v2(2375,-235)
  other v2: 2225,-235 2300,-235 2450,-235 2525,-235 2600,-235 2675,-235 2225,-160 2300,-160 2375,-160 2450,-160 2525,-160 2600,-160 2675,-160
ADC_IN_1: J1.1 R13_1.1 Rm2_1.2 Rm_1.2 | length 1352.8
  Top Layer w10: R13_1.1@5740,-5022.6 Rm2_1.2@5740,-4910 Rm_1.2@5740,-4850 ; Rm_1.2@5745.98,-4840 5780,-4840 5790,-4850 v1(5790,-4860)
  Bottom Layer w10: v1(5790,-4860) 6140,-4860 6331,-5051 6331,-5429 6285,-5475 J1.1@6226.14,-5475
ADC_IN_2: J1.3 R13_2.1 Rm2_2.2 Rm_2.2 | length 1820.5
  Top Layer w10: R13_2.1@5160,-5022.6 Rm2_2.2@5160,-4910 Rm_2.2@5160,-4850 ; Rm_2.2@5165.98,-4840 5220,-4840 5240,-4860 v1(5240,-4890)
  Bottom Layer w10: v1(5240,-4890) 5247.07,-4890 5254.07,-4883 6137.54,-4883 6313,-5058.46 6313,-5347 6287,-5373 6228.14,-5373 J1.3@6226.14,-5375
ADC_IN_3: J1.5 R13_3.1 Rm2_3.2 Rm_3.2 | length 2251.4
  Top Layer w10: R13_3.1@4580,-5022.6 Rm2_3.2@4580,-4910 Rm_3.2@4580,-4850 ; Rm_3.2@4585.98,-4840 4640,-4840 4660,-4860 v1(4660,-4890)
  Bottom Layer w10: v1(4660,-4890) 4673.25,-4903.25 4954.28,-4903.25 4964.02,-4913 5249.53,-4913 5261.53,-4901 6130.09,-4901 6295,-5065.91 6295,-5225 6245,-5275 J1.5@6226.14,-5275
ADC_IN_4: J1.7 R13_4.1 Rm2_4.2 Rm_4.2 | length 2665.9
  Top Layer w10: R13_4.1@4000,-5022.6 Rm2_4.2@4000,-4910 Rm_4.2@4000,-4850 ; Rm_4.2@4005.98,-4840 4060,-4840 4080,-4860 v1(4080,-4920)
  Bottom Layer w10: v1(4080,-4920) 4081.25,-4921.25 4946.82,-4921.25 4956.57,-4931 5256.98,-4931 5268.98,-4919 6122.63,-4919 6226.14,-5022.51 J1.7@6226.14,-5175
ADC_IN_5: J2.1 R13_5.1 Rm2_5.2 Rm_5.2 | length 1367.9
  Top Layer w10: R13_5.1@5740,-3822.6 Rm2_5.2@5740,-3700 Rm_5.2@5740,-3640 5770,-3640 v1(5790,-3660)
  Bottom Layer w10: v1(5790,-3660) 5820,-3660 5830,-3670 6150,-3670 6330,-3850 6330,-4240 6295.01,-4274.99 J2.1@6226.14,-4274.99
ADC_IN_6: J2.3 R13_6.1 Rm2_6.2 Rm_6.2 | length 1810.5
  Top Layer w10: R13_6.1@5160,-3822.6 Rm2_6.2@5160,-3700 Rm_6.2@5160,-3640 ; Rm_6.2@5165.98,-3640 5220,-3640 5240,-3660 v1(5240,-3680)
  Bottom Layer w10: v1(5240,-3680) 5248,-3688 6142.54,-3688 6310,-3855.46 6310,-4140 6275.01,-4174.99 J2.3@6226.14,-4174.99
ADC_IN_7: J2.5 R13_7.1 Rm2_7.2 Rm_7.2 | length 2259
  Top Layer w10: R13_7.1@4580,-3822.6 Rm2_7.2@4580,-3700 Rm_7.2@4580,-3640 ; Rm_7.2@4585.98,-3640 4640,-3640 4660,-3660 v1(4660,-3690)
  Bottom Layer w10: v1(4660,-3690) 4675.78,-3705.78 5002.01,-3705.78 5002.23,-3706 6135.09,-3706 6290,-3860.91 6290,-4049.97 6264.99,-4074.99 J2.5@6226.14,-4074.99
ADC_IN_8: J2.7 R13_8.1 Rm2_8.2 Rm_8.2 | length 2666.1
  Top Layer w10: R13_8.1@4000,-3822.6 Rm_8.2@4000,-3700 Rm2_8.2@4000,-3640 4005,-3645 4065,-3645 4080,-3660 v1(4080,-3690)
  Bottom Layer w10: v1(4080,-3690) 4080,-3710 4094,-3724 6127.63,-3724 6226.14,-3822.51 J2.7@6226.14,-3974.99
ADC_IN_9: J4.1 R13_9.1 Rm2_9.2 Rm_9.2 | length 1368.6
  Top Layer w10: R13_9.1@5740,-2622.6 Rm_9.2@5740,-2440 ; Rm_9.2@5745.98,-2440 v1(5780,-2440)
  Bottom Layer w10: v1(5780,-2440) 5780,-2470 5792.52,-2482.52 6152.52,-2482.52 6338,-2668 6338,-3012 6275.03,-3074.97 J4.1@6226.14,-3074.97
ADC_IN_10: J4.3 R13_10.1 Rm2_10.2 Rm_10.2 | length 1836.3
  Top Layer w10: R13_10.1@5160,-2622.6 Rm_10.2@5160,-2440 ; Rm_10.2@5165.98,-2440 5220,-2440 5230,-2450 v1(5230,-2500)
  Bottom Layer w10: v1(5230,-2500) 5230.52,-2500.52 6145.06,-2500.52 6320,-2675.46 6320,-2940 6285.03,-2974.97 J4.3@6226.14,-2974.97
ADC_IN_11: J4.5 R13_11.1 Rm2_11.2 Rm_11.2 | length 2276.8
  Top Layer w10: R13_11.1@4580,-2622.6 Rm_11.2@4580,-2440 ; Rm_11.2@4585.98,-2440 4640,-2440 4670,-2470 v1(4670,-2510)
  Bottom Layer w10: v1(4670,-2510) 4683,-2523 5239.53,-2523 5244.01,-2518.52 6077.38,-2518.52 ; 6077.41,-2518.54 6129.45,-2518.54 6129.66,-2518.75 6137.84,-2518.75 6300,-2680.91 6300,-2850 6275.03,-2874.97 J4.5@6226.14,-2874.97
ADC_IN_12: J4.7 R13_12.1 Rm2_12.2 Rm_12.2 | length 2686.5
  Top Layer w10: Rm2_12.2@3997.4,-2500 Rm_12.2@3997.4,-2440 4050,-2440 4090,-2480 v1(4090,-2530) ; R13_12.1@4000,-2622.6 Rm2_12.2@4000,-2480
  Bottom Layer w10: v1(4090,-2530) 4101,-2541 5246.98,-2541 5251.46,-2536.52 6069.93,-2536.52 ; 6069.95,-2536.54 6122,-2536.54 6122.2,-2536.75 6130.38,-2536.75 6226.14,-2632.51 J4.7@6226.14,-2774.97
ADC_IN_13: J5.1 R13_13.1 Rm2_13.2 Rm_13.2 | length 1318.3
  Top Layer w10: Rm_13.2@5737.4,-1240 Rm2_13.2@5737.4,-1300 5737.4,-1420 R13_13.1@5740,-1422.6 ; Rm_13.2@5745.98,-1240 5790,-1240 v1(5820,-1270)
  Bottom Layer w10: v1(5820,-1270) 6106.37,-1270 6321.04,-1484.67 6321.04,-1828.96 6275.04,-1874.96 J5.1@6226.14,-1874.96